# Altium PCB MotherBoard.PcbDoc (part 9 of 10) (continued)
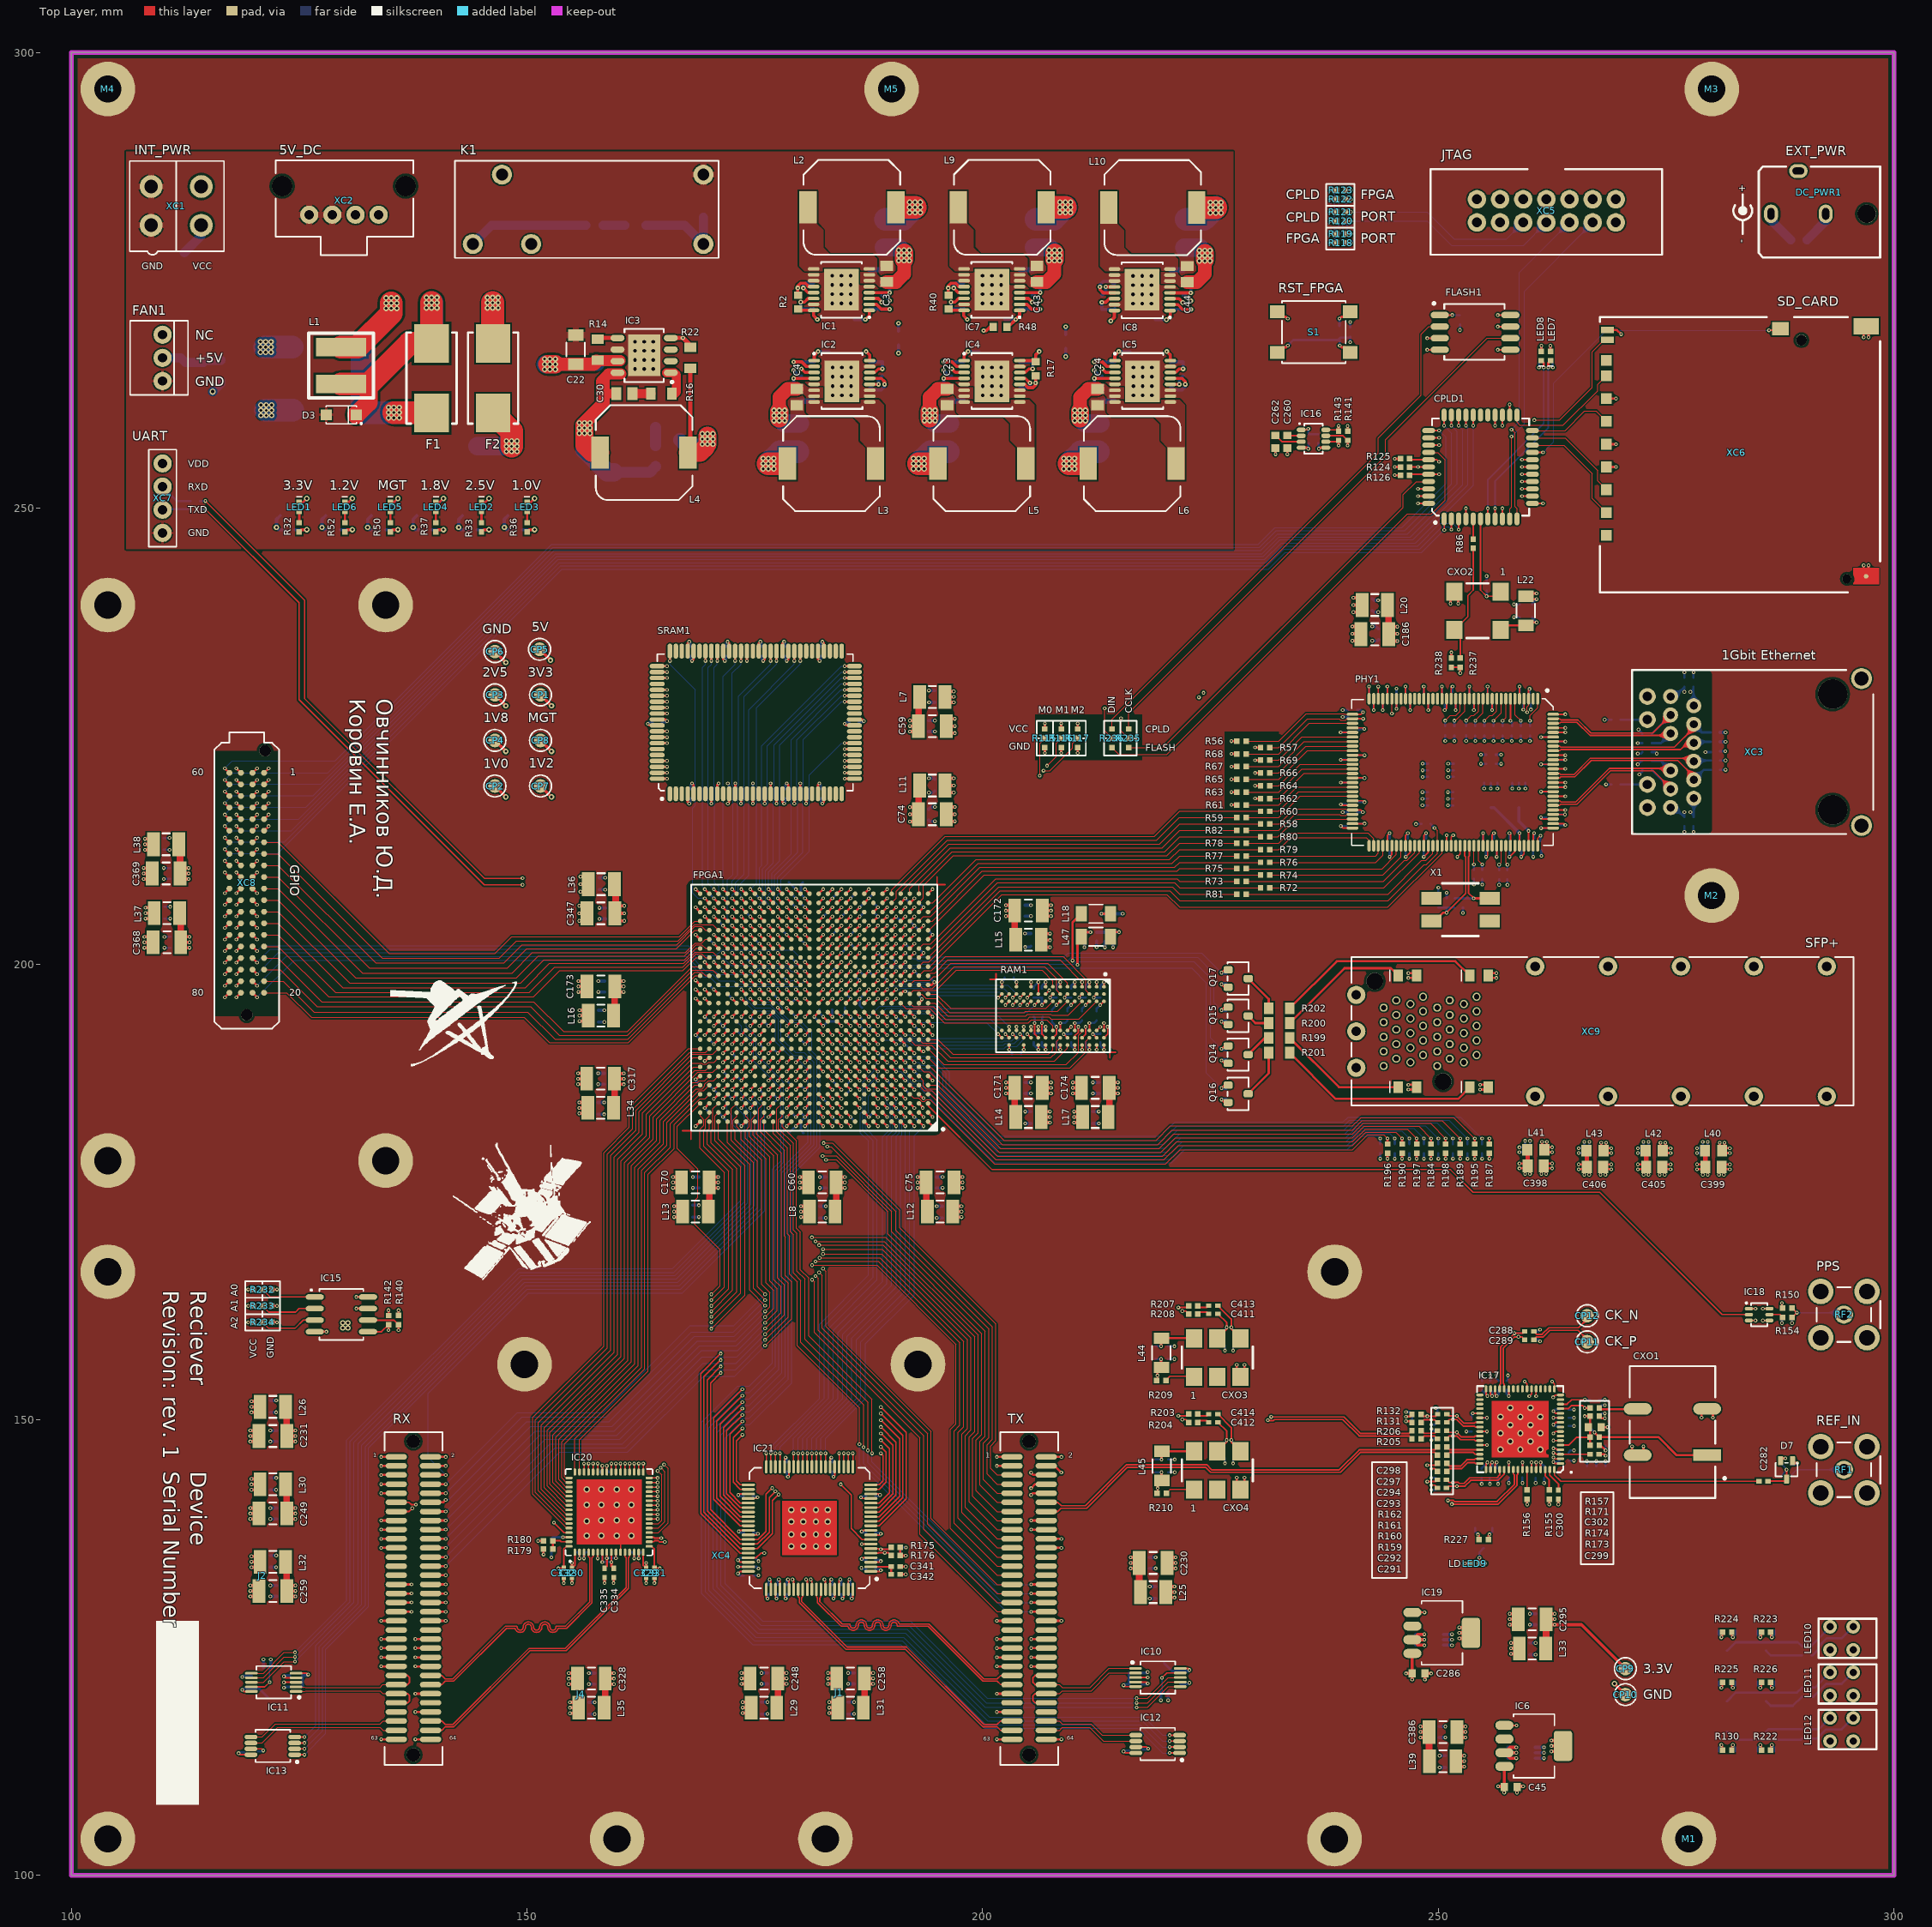
[diagram p0: Top Layer view]
## Nets (pads, with @x,y where several pads share a name; then routed paths per layer and width w, separated by ;. In a path a pad name is that pad's centre, name@x,y a point inside that pad or via, vN(x,y) a via of type N, cw(c..) or ccw(c..) an arc to the next point about the centre after c; other vN are vias at no path point) (continued)
  Bottom Layer w0.25: C407.1@274.372,179.46 v1(274.372,180.38) ; C407.1@274.561,179.249 v1(275.481,179.249) ; C407.1@274.561,179.779 v1(275.481,179.779) ; C407.1@274.902,179.46 v1(274.902,180.38)
SFP1_VCCTX: C401.1 L40.2 XC9.L16 | length 7.4
  Top Layer w0.25: L40.2@280.872,179.46 v1(280.872,180.38) ; L40.2@281.061,179.249 v1(281.981,179.249) ; L40.2@281.061,179.779 v1(281.981,179.779) ; L40.2@281.402,179.46 v1(281.402,180.38)
  Bottom Layer w0.25: C401.1@280.872,179.46 v1(280.872,180.38) ; C401.1@281.061,179.249 v1(281.981,179.249) ; C401.1@281.061,179.779 v1(281.981,179.779) ; C401.1@281.402,179.46 v1(281.402,180.38)
SFP2_RX_N: FPGA1.B11 XC9.T12 | length 65.5
  Top Layer w0.25: FPGA1.B11@184,183.7 v1(184.5,183.2)
  Signal Layer 1 w0.1: v1(184.5,183.2) 184.875,182.825 185.967,182.825 186.967,183.825 194.925,183.825 195.575,184.475 226.825,184.475 237.55,195.2 XC9.T12@244,195.2
SFP2_RX_P: FPGA1.A11 XC9.T13 | length 67.1
  Top Layer w0.25: FPGA1.A11@184,182.7 v1(184.5,182.2)
  Signal Layer 1 w0.1: v1(184.5,182.2) 184.875,182.575 186.071,182.575 187.071,183.575 187.174,183.575 195.029,183.575 195.679,184.225 226.929,184.225 237.654,194.95 243.05,194.95 243.6,194.4 XC9.T13@245.38,194.4
SFP2_TX_N: FPGA1.A7 XC9.T19 | length 61.8
  Top Layer w0.18: XC9.T19@245.321,189.541 XC9.T19@245.38,189.6
  Top Layer w0.25: FPGA1.A7@188,182.7 v1(188.5,182.2)
  Signal Layer 1 w0.1: v1(188.5,182.2) 188.875,182.575 194.925,182.575 195.625,181.875 227.525,181.875 235.8,190.15 243.05,190.15 243.6,189.6 XC9.T19@245.38,189.6
SFP2_TX_P: FPGA1.B7 XC9.T18 | length 60.1
  Top Layer w0.25: FPGA1.B7@188,183.7 v1(188.5,183.2)
  Signal Layer 1 w0.1: v1(188.5,183.2) 188.875,182.825 195.029,182.825 195.729,182.125 227.421,182.125 235.696,190.4 XC9.T18@244,190.4
SFP2_VCCRX: C408.1 L43.1 XC9.T15 | length 7.4
  Top Layer w0.25: L43.1@267.872,179.46 v1(267.872,180.38) ; L43.1@268.061,179.249 v1(268.981,179.249) ; L43.1@268.061,179.779 v1(268.981,179.779) ; L43.1@268.402,179.46 v1(268.402,180.38)
  Bottom Layer w0.25: C408.1@267.872,179.46 v1(267.872,180.38) ; C408.1@268.061,179.249 v1(268.981,179.249) ; C408.1@268.061,179.779 v1(268.981,179.779) ; C408.1@268.402,179.46 v1(268.402,180.38)
SFP2_VCCTX: C402.1 L41.1 XC9.T16 | length 7.4
  Top Layer w0.25: L41.1@261.372,179.56 v1(261.372,180.48) ; L41.1@261.561,179.349 v1(262.481,179.349) ; L41.1@261.561,179.879 v1(262.481,179.879) ; L41.1@261.902,179.56 v1(261.902,180.48)
  Bottom Layer w0.25: C402.1@261.372,179.56 v1(261.372,180.48) ; C402.1@261.561,179.349 v1(262.481,179.349) ; C402.1@261.561,179.879 v1(262.481,179.879) ; C402.1@261.902,179.56 v1(261.902,180.48)
SFP+_CLK_VCC: C384.1 C385.1 C386.2 C415.2 C416.2 L39.1 L44.1 L45.1 R209.1 R210.1 | length 13.8
  Top Layer w0.15: R209.1@219.117,154.35 219.175,154.408 v1(219.175,154.85) ; R210.1@219.142,141.925 219.2,141.983 v1(219.2,142.475)
  Top Layer w0.25: v1(219.175,154.85) 219.175,155.3 L44.1@219.625,155.75 ; v1(219.2,142.475) 219.2,142.875 L45.1@219.65,143.325 ; v1(219.575,156.65) 219.575,155.8 L44.1@219.6,155.775 ; L45.1@219.625,143.35 v1(219.625,144.225)
  Top Layer w0.35: v1(248.026,115.125) C386.2@248.976,115.125 ; v1(248.026,115.725) C386.2@248.976,115.725 ; v1(248.026,116.325) C386.2@248.976,116.325
  Top Layer w0.72: C386.2@248.976,115.725 248.976,112.652 L39.1@249.103,112.525
  Bottom Layer w0.25: C415.2@218.925,156.65 v1(219.575,156.65) ; C416.2@218.95,144.225 v1(219.625,144.225)
  Bottom Layer w0.35: v1(248.026,115.125) C385.1@248.7,115.125 ; v1(248.026,116.325) C384.1@248.7,116.325
SFPP1_MODABS: FPGA1.G2 R189.1 XC9.L6 | length 78.4
  Top Layer w0.1: FPGA1.G2@193,188.7 193.525,188.175 194.15,188.175 202.142,180.183 219.202,180.183 220.794,181.775 240.575,181.775 241.625,182.825 250.418,182.825 v1(252.4,180.843)
  Top Layer w0.25: R189.1@252.4,180.243 v1(252.4,180.843)
  Signal Layer 2 w0.1: XC9.L6@249.87,192 249.225,191.355 249.225,189.475 248.975,189.225 248.975,186.15 251.25,183.875 251.25,181.993 v1(252.4,180.843)
SFPP1_RS0: FPGA1.H4 R194.1 XC9.L7 | length 77.9
  Top Layer w0.25: FPGA1.H4@191,189.7 v1(191.5,189.2)
  Signal Layer 1 w0.1: v1(250,180.843) 252.2,183.043 252.2,188.5 251.875,188.825 251.875,190.575 XC9.L7@251.25,191.2
  Bottom Layer w0.1: v1(191.5,189.2) 191.875,188.825 192.875,188.825 193.15,188.55 194.425,188.55 195.275,187.7 195.275,186.125 201.621,179.779 220.061,179.779 221.632,181.35 239.742,181.35 240.651,182.259 248.584,182.259 v1(250,180.843)
  Bottom Layer w0.25: R194.1@250,180.243 v1(250,180.843)
SFPP1_RS1: FPGA1.J4 R183.1 XC9.L9 | length 81.3
  Top Layer w0.25: FPGA1.J4@191,190.7 v1(191.5,190.2)
  Signal Layer 2 w0.1: XC9.L9@251.25,189.6 251.975,188.875 251.975,186.025 253.75,184.25 253.75,181.893 v1(254.8,180.843)
  Bottom Layer w0.1: v1(191.5,190.2) 191.849,189.85 194.625,189.85 196.375,188.1 196.375,186.625 201.896,181.104 219.512,181.104 221.083,182.675 239.567,182.675 240.088,183.196 252.447,183.196 v1(254.8,180.843)
  Bottom Layer w0.25: R183.1@254.8,180.243 v1(254.8,180.843)
SFPP1_RXLOS: FPGA1.J5 R185.1 XC9.L8 | length 82.1
  Top Layer w0.25: FPGA1.J5@190,190.7 v1(190.5,190.2)
  Signal Layer 2 w0.1: XC9.L8@249.87,190.4 249.87,189.72 249.275,189.125 249.275,186.45 251.7,184.025 251.7,182.343 v1(253.2,180.843)
  Bottom Layer w0.1: v1(190.5,190.2) 191.15,189.55 194.425,189.55 196,187.975 196,186.45 201.821,180.629 219.709,180.629 221.28,182.2 239.592,182.2 240.252,182.86 251.183,182.86 v1(253.2,180.843)
  Bottom Layer w0.25: R185.1@253.2,180.243 v1(253.2,180.843)
SFPP1_SCL: FPGA1.J6 R187.1 XC9.L5 | length 94.3
  Top Layer w0.25: FPGA1.J6@189,190.7 v1(189.5,190.2) ; R187.1@255.6,180.243 v1(255.6,180.843)
  Signal Layer 2 w0.1: v1(189.5,190.2) 190.005,190.2 191.605,188.6 212.55,188.6 214.35,190.4 214.35,197.5 215.85,199 224.2,199 224.675,199.475 232.775,199.475 234.55,201.25 248.725,201.25 251.85,198.125 251.85,193.4 XC9.L5@251.25,192.8 252.2,191.85 252.2,186.375 254.175,184.4 254.175,182.268 v1(255.6,180.843)
SFPP1_SDA: FPGA1.H3 R193.1 XC9.L4 | length 81.2
  Top Layer w0.25: FPGA1.H3@192,189.7 v1(192.5,189.2)
  Signal Layer 2 w0.1: XC9.L4@249.87,193.6 248.925,192.655 248.925,189.6 248.65,189.325 248.65,185.875 250.85,183.675 250.85,181.593 v1(251.6,180.843)
  Bottom Layer w0.1: v1(192.5,189.2) 192.95,189.2 193.3,188.85 194.65,188.85 195.625,187.875 195.625,186.3 201.696,180.229 219.874,180.229 221.396,181.75 239.617,181.75 240.444,182.577 249.865,182.577 v1(251.6,180.843)
  Bottom Layer w0.25: R193.1@251.6,180.243 v1(251.6,180.843)
SFPP1_TXDISABLE: FPGA1.G1 R195.1 XC9.L3 | length 81.1
  Top Layer w0.1: FPGA1.G1@194,188.7 194.3,188.7 202.35,180.65 219.008,180.65 220.583,182.225 240.575,182.225 241.5,183.15 251.693,183.15 v1(254,180.843)
  Top Layer w0.25: R195.1@254,180.243 v1(254,180.843)
  Signal Layer 2 w0.1: XC9.L3@251.25,194.4 250.625,193.775 250.625,189.1 251.75,187.975 251.75,185.675 253.375,184.05 253.375,181.468 v1(254,180.843)
SFPP1_TXFAULT: FPGA1.F2 R184.1 XC9.L2 | length 78.6
  Top Layer w0.1: FPGA1.F2@193,187.7 193.5,187.2 193.5,186.634 193.834,186.3 194.825,186.3 201.79,179.335 219.553,179.335 221.128,180.91 240.585,180.91 241.85,182.175 247.868,182.175 v1(249.2,180.843)
  Top Layer w0.25: R184.1@249.2,180.243 v1(249.2,180.843)
  Signal Layer 1 w0.1: v1(249.2,180.843) 251.825,183.468 251.825,188.025 250.55,189.3 250.55,194.52 XC9.L2@249.87,195.2
  Signal Layer 2 w0.1: v1(249.2,180.843) v1@249.208,180.843
SFPP2_MODABS: FPGA1.D1 R190.1 XC9.T6 | length 71
  Top Layer w0.1: FPGA1.D1@194,185.7 194.25,185.7 201.446,178.504 219.897,178.504 221.472,180.079 240.579,180.079 242.05,181.55 245.313,181.55 v1(246.02,180.843)
  Top Layer w0.25: R190.1@246.02,180.243 v1(246.02,180.843)
  Signal Layer 1 w0.1: v1@246.02,180.846 v1(246.02,180.843) 248.775,183.597 248.775,189.125 248.975,189.325 248.975,192.545 XC9.T6@248.32,193.2
SFPP2_RS0: FPGA1.G5 R188.1 XC9.T7 | length 75.4
  Top Layer w0.25: FPGA1.G5@190,188.7 v1(190.5,188.2)
  Signal Layer 2 w0.1: v1(243.62,180.842) 245.075,182.297 245.075,183.55 247.2,185.675 247.2,187.85 246.325,188.725 246.325,193.395 XC9.T7@246.93,194
  Bottom Layer w0.1: v1(190.5,188.2) 190.995,188.2 191.85,187.345 191.85,187 192.3,186.55 192.925,186.55 201.3,178.175 220.725,178.175 222.2,179.65 240.025,179.65 241.5,181.125 243.338,181.125 v1(243.62,180.842)
  Bottom Layer w0.25: R188.1@243.62,180.242 v1(243.62,180.842)
SFPP2_RS1: FPGA1.E2 R197.1 XC9.T9 | length 75.1
  Top Layer w0.1: FPGA1.E2@193,186.7 193.6,186.1 194.425,186.1 201.615,178.91 219.729,178.91 221.304,180.485 240.585,180.485 241.975,181.875 246.588,181.875 v1(247.62,180.843)
  Top Layer w0.25: R197.1@247.62,180.243 v1(247.62,180.843)
  Signal Layer 2 w0.1: XC9.T9@246.93,195.6 247.525,195.005 247.525,189.325 247.62,189.23 v1(247.62,180.843)
SFPP2_RXLOS: FPGA1.F3 R186.1 XC9.T8 | length 75.9
  Top Layer w0.25: FPGA1.F3@192,187.7 v1(192.5,187.2)
  Signal Layer 1 w0.1: v1(246.82,180.843) 249.25,183.272 249.25,193.87 XC9.T8@248.32,194.8
  Bottom Layer w0.1: v1(192.5,187.2) 193.275,187.2 201.496,178.979 220.392,178.979 221.889,180.475 239.867,180.475 241.085,181.693 245.97,181.693 v1(246.82,180.843)
  Bottom Layer w0.25: R186.1@246.82,180.243 v1(246.82,180.843)
SFPP2_SCL: FPGA1.D3 R196.1 XC9.T5 | length 70.4
  Top Layer w0.1: FPGA1.D3@192,185.7 192.4,185.3 192.966,185.3 193.341,184.925 193.645,184.925 193.82,185.1 194.25,185.1 201.3,178.05 220.085,178.05 221.66,179.625 240.6,179.625 242.225,181.25 244.013,181.25 v1(244.42,180.842)
  Top Layer w0.25: R196.1@244.42,180.242 v1(244.42,180.842)
  Signal Layer 1 w0.1: v1(244.42,180.842) 244.42,180.846 246.25,182.675 246.25,191.72 XC9.T5@246.93,192.4
SFPP2_SDA: FPGA1.H6 R191.1 XC9.T4 | length 78
  Top Layer w0.25: FPGA1.H6@189,189.7 v1(189.5,189.2)
  Signal Layer 2 w0.1: XC9.T4@248.32,191.6 247.725,191.005 247.725,189.575 247.975,189.325 247.975,181.288 v1(248.42,180.842)
  Bottom Layer w0.1: v1(189.5,189.2) 190.15,188.55 192.675,188.55 192.975,188.25 194.225,188.25 194.95,187.525 194.95,186 201.571,179.379 220.226,179.379 221.748,180.9 239.817,180.9 240.893,181.976 247.287,181.976 v1(248.42,180.842)
  Bottom Layer w0.25: R191.1@248.42,180.242 v1(248.42,180.842)
SFPP2_TXDISABLE: FPGA1.G4 R192.1 XC9.T3 | length 71.9
  Top Layer w0.25: FPGA1.G4@191,188.7 v1(191.5,188.2)
  Signal Layer 1 w0.1: v1(245.22,180.842) 247.575,183.197 247.575,190.155 XC9.T3@246.93,190.8
  Bottom Layer w0.1: v1(191.5,188.2) 192.075,187.625 192.075,187.13 192.355,186.85 192.645,186.85 193.125,186.85 201.396,178.579 220.558,178.579 222.054,180.075 239.967,180.075 241.303,181.41 244.652,181.41 v1(245.22,180.842)
  Bottom Layer w0.25: R192.1@245.22,180.242 v1(245.22,180.842)
SFPP2_TXFAULT: FPGA1.E1 R198.1 XC9.T2 | length 72.3
  Top Layer w0.1: FPGA1.E1@194,186.7 195.025,186.7 201.966,179.759 219.378,179.759 220.953,181.334 240.584,181.334 241.75,182.5 249.143,182.5 v1(250.8,180.843)
  Top Layer w0.25: R198.1@250.8,180.243 v1(250.8,180.843)
  Signal Layer 2 w0.1: XC9.T2@248.32,190 248.32,185.68 250.45,183.55 250.45,181.193 v1(250.8,180.843)
TCK: CPLD1.11 FPGA1.H12 XC5.6 | length 154.7
  Top Layer w0.1: v1(258.025,258.625) 258.05,258.625 258.4,258.275 258.4,250.175 258.625,249.95 CPLD1.11@258.625,248.825
  Top Layer w0.25: FPGA1.H12@183,189.7 v1(183.5,189.2)
  Signal Layer 2 w0.1: v1(183.5,189.2) 183.5,189.7 183.134,190.066 183.134,209.904 199.055,225.825 216.2,225.825 222.275,231.9 230.15,231.9 248.225,249.975 248.225,254.45 252.4,258.625 v1(258.025,258.625)
  Bottom Layer w0.1: v1(258.025,258.625) 258.875,259.475 258.875,275.847 XC5.6@264.388,281.36
TDI_CPLD: CPLD1.9 R121.2 R122.2 | length 50.9
  Top Layer w0.18: CPLD1.9@257.025,248.825 v1(257.025,249.979)
  Top Layer w0.25: v1(238.184,282.5) R121.2@238.784,282.5 ; v1(238.184,283.9) R122.2@238.784,283.9
  Signal Layer 2 w0.1: v1(238.184,282.5) 238.659,282.025 248.275,282.025 258.425,271.875 258.425,251.379 v1(257.025,249.979)
  Bottom Layer w0.18: v1(238.184,282.5) v1(238.184,283.9)
TDI_FPGA: FPGA1.H10 R119.2 R123.1 | length 132.6
  Top Layer w0.25: FPGA1.H10@185,189.7 v1(185.5,189.2) ; v1(238.184,280.1) R119.2@238.784,280.1 ; R123.1@239.8,284.9 v1(240.4,284.9)
  Signal Layer 1 w0.1: v1(223.725,229.25) 225.392,229.25 238.3,242.158 238.3,278.35 238.55,278.6 238.55,279.734 v1(238.184,280.1)
  Signal Layer 2 w0.1: v1(185.5,189.2) 186.15,189.85 186.15,190.345 187.85,192.045 187.85,195.125 187.025,195.95 187.025,200.025 186.15,200.9 186.15,207.925 193.725,215.5 194.1,215.5 201.3,222.7 217.175,222.7 v1(223.725,229.25)
  Bottom Layer w0.18: v1(238.184,280.1) 239.075,280.991 239.075,283.575 v1(240.4,284.9)
TDI_PORT: R119.1 R121.1 XC5.10 | length 24.8
  Top Layer w0.25: R119.1@239.8,280.1 v1(240.4,280.1) ; R121.1@239.8,282.5 v1(240.4,282.5)
  Bottom Layer w0.1: v1(240.4,282.5) 248.75,282.5 251.725,279.525 257.473,279.525 XC5.10@259.308,281.36
  Bottom Layer w0.18: v1(240.4,280.1) 240.01,280.49 240.01,282.11 v1(240.4,282.5)
TDO_CPLD: CPLD1.24 R120.2 R123.2 | length 40.1
  Top Layer w0.18: CPLD1.24@257.825,260.225 v1(257.825,261.379)
  Top Layer w0.25: v1(238.184,281.5) R120.2@238.784,281.5 ; v1(238.184,284.9) R123.2@238.784,284.9
  Signal Layer 2 w0.1: v1(238.184,281.5) 238.659,281.025 248.525,281.025 257.825,271.725 v1(257.825,261.379)
  Bottom Layer w0.18: v1(238.184,281.5) 238.574,281.89 238.574,284.51 v1(238.184,284.9)
TDO_FPGA: FPGA1.J10 R118.2 R122.1 | length 129.8
  Top Layer w0.25: FPGA1.J10@185,190.7 v1(185.5,190.2) ; v1(238.184,279.1) R118.2@238.784,279.1 ; R122.1@239.8,283.9 v1(240.4,283.9)
  Signal Layer 1 w0.1: v1(224.225,229.75) 225.366,229.75 237.875,242.259 237.875,278.791 v1(238.184,279.1)
  Signal Layer 2 w0.1: v1(185.5,190.2) 185.15,190.55 185.15,191.35 186.125,192.325 186.125,200.25 185.85,200.525 185.85,208.325 193.45,215.925 193.945,215.925 195.1,217.08 195.1,217.675 196.65,219.225 196.967,219.225 201.392,223.65 217.35,223.65 223.45,229.75 v1(224.225,229.75)
  Bottom Layer w0.18: v1(238.184,279.1) 239.5,280.416 239.5,283 v1(240.4,283.9)
TDO_PORT: R118.1 R120.1 XC5.8 | length 27.5
  Top Layer w0.25: R118.1@239.8,279.1 v1(240.4,279.1) ; R120.1@239.8,281.5 v1(240.4,281.5)
  Bottom Layer w0.1: v1(240.4,281.5) 248.775,281.5 251.425,278.85 259.338,278.85 XC5.8@261.848,281.36
  Bottom Layer w0.18: v1(240.4,279.1) 240.8,279.5 240.8,280.5 240.4,280.9 v1(240.4,281.5)
TMS: CPLD1.10 FPGA1.H11 XC5.4 | length 154.5
  Top Layer w0.1: CPLD1.10@257.825,248.825 257.825,249.95 258.025,250.15 v1(258.025,257.875)
  Top Layer w0.25: FPGA1.H11@184,189.7 v1(184.5,189.2)
  Signal Layer 2 w0.1: v1(184.5,189.2) 184.5,189.7 184.05,190.15 184.05,209.925 184.145,209.925 199.545,225.325 216.575,225.325 222.625,231.375 230.325,231.375 248.675,249.725 248.675,254.35 252.2,257.875 v1(258.025,257.875)
  Bottom Layer w0.1: v1(258.025,257.875) 259.425,259.275 259.425,273.8 266.928,281.303 XC5.4@266.928,281.36
TX00_A: FPGA1.B4 IC21.30 | length 43.3
  Top Layer w0.13: IC21.30@181.25,144.825 v1(181.25,146.3)
  Top Layer w0.25: FPGA1.B4@191,183.7 v1(191.5,183.2)
  Bottom Layer w0.1: v1(181.25,146.3) 181.25,147.95 185.625,152.325 185.625,158.946 191,164.321 191,181.1 191.15,181.25 191.15,182.85 v1(191.5,183.2)
TX00_B: FPGA1.L8 IC21.50 | length 64
  Top Layer w0.13: v1(173.625,153.328) 170.475,150.178 170.475,141.275 173.4,138.35 IC21.50@174.275,138.35
  Top Layer w0.25: FPGA1.L8@187,192.7 v1(187.5,192.2)
  Signal Layer 2 w0.1: v1(173.625,153.328) 177.837,157.54 177.837,161.287 183.45,166.9 183.45,177.625 184.15,178.325 184.15,188.35 185.85,190.05 185.85,191.045 187.005,192.2 v1(187.5,192.2)
TX01_A: FPGA1.A4 IC21.29 | length 42.1
  Top Layer w0.13: IC21.29@181.75,144.825 v1(181.75,146.3)
  Top Layer w0.25: FPGA1.A4@191,182.7 v1(191.5,182.2)
  Bottom Layer w0.1: v1(181.75,146.3) 181.75,147.95 186.125,152.325 186.125,158.739 191.5,164.114 v1(191.5,182.2)
TX01_B: FPGA1.K8 IC21.49 | length 61.9
  Top Layer w0.13: v1(173.629,152.625) 170.829,149.825 170.829,141.421 173.4,138.85 IC21.49@174.275,138.85
  Top Layer w0.25: FPGA1.K8@187,191.7 v1(187.5,191.2)
  Signal Layer 2 w0.1: v1(173.629,152.625) 178.337,157.333 178.337,161.137 183.85,166.65 183.85,177.175 184.625,177.95 184.625,181.83 184.85,182.055 184.85,188.05 187,190.2 187,190.7 v1(187.5,191.2)
TX02_A: FPGA1.A3 IC21.28 | length 42.3
  Top Layer w0.13: IC21.28@182.25,144.825 v1(182.25,146.3)
  Top Layer w0.25: FPGA1.A3@192,182.7 v1(192.5,182.2)
  Bottom Layer w0.1: v1(182.25,146.3) 182.25,147.95 186.625,152.325 186.625,158.532 192,163.907 192,181.7 v1(192.5,182.2)
TX02_B: FPGA1.H9 IC21.48 | length 58.7
  Top Layer w0.13: v1(173.625,151.914) 171.182,149.471 171.182,141.568 173.4,139.35 IC21.48@174.275,139.35
  Top Layer w0.25: FPGA1.H9@186,189.7 v1(186.5,189.2)
  Signal Layer 2 w0.1: v1(173.625,151.914) 178.837,157.126 178.837,160.962 184.35,166.475 184.35,176.9 185.1,177.65 185.1,187.295 185.85,188.045 185.85,188.55 v1(186.5,189.2)
TX03_A: FPGA1.A2 IC21.27 | length 42.5
  Top Layer w0.13: IC21.27@182.75,144.825 v1(182.75,146.3)
  Top Layer w0.25: FPGA1.A2@193,182.7 v1(193.5,182.2)
  Bottom Layer w0.1: v1(182.75,146.3) 182.75,147.95 187.125,152.325 187.125,158.325 192.475,163.675 192.475,181.175 v1(193.5,182.2)
TX03_B: FPGA1.J8 IC21.47 | length 59.3
  Top Layer w0.13: v1(173.618,151.2) 171.536,149.118 171.536,141.714 173.4,139.85 IC21.47@174.275,139.85
  Top Layer w0.25: FPGA1.J8@187,190.7 v1(187.5,190.2)
  Signal Layer 2 w0.1: v1(173.618,151.2) 179.337,156.919 179.337,160.789 185.6,167.051 185.6,181.805 185.875,182.08 185.875,187.383 186.15,187.658 186.15,188.345 187,189.195 187,189.7 v1(187.5,190.2)
TX04_A: FPGA1.G6 IC21.24 | length 47.9
  Top Layer w0.13: IC21.24@184.25,144.825 v1(184.25,146.3)
  Top Layer w0.25: FPGA1.G6@189,188.7 v1(189.5,188.2)
  Signal Layer 2 w0.1: v1(184.25,146.3) 184.25,148.025 182.325,149.95 182.325,159.8 188.45,165.925 188.45,181.638 188.85,182.038 188.85,187.075 189.5,187.725 v1(189.5,188.2)
TX04_B: FPGA1.G9 IC21.46 | length 56.1
  Top Layer w0.13: v1(173.625,150.5) 171.889,148.764 171.889,141.861 173.4,140.35 IC21.46@174.275,140.35
  Top Layer w0.25: FPGA1.G9@186,188.7 v1(186.5,188.2)
  Signal Layer 2 w0.1: v1(173.625,150.5) 179.837,156.712 179.837,160.612 186.075,166.85 186.075,187.3 186.5,187.725 v1(186.5,188.2)
TX05_A: FPGA1.E6 IC21.23 | length 45.6
  Top Layer w0.13: IC21.23@184.75,144.825 v1(184.75,146.3)
  Top Layer w0.25: FPGA1.E6@189,186.7 v1(189.5,186.2)
  Signal Layer 2 w0.1: v1(184.75,146.3) 184.75,148.25 182.825,150.175 182.825,159.675 188.925,165.775 188.925,181.8 189.15,182.025 189.15,185.55 189.5,185.9 v1(189.5,186.2)
TX05_B: FPGA1.H8 IC21.45 | length 56.7
  Top Layer w0.13: v1(173.625,149.793) 172.243,148.411 172.243,142.007 173.4,140.85 IC21.45@174.275,140.85
  Top Layer w0.25: FPGA1.H8@187,189.7 v1(187.5,189.2)
  Signal Layer 2 w0.1: v1(173.625,149.793) 180.337,156.505 180.337,160.437 186.55,166.65 186.55,181.8 186.85,182.1 186.85,188.55 v1(187.5,189.2)
TX06_A: FPGA1.F5 IC21.22 | length 46.9
  Top Layer w0.13: IC21.22@185.25,144.825 v1(185.25,146.3)
  Top Layer w0.25: FPGA1.F5@190,187.7 v1(190.5,187.2)
  Signal Layer 2 w0.1: v1(185.25,146.3) 185.25,148.45 183.325,150.375 183.325,159.575 189.425,165.675 189.425,181.613 189.875,182.063 189.875,186.575 v1(190.5,187.2)
TX06_B: FPGA1.F8 IC21.42 | length 52.9
  Top Layer w0.13: v1(173.625,149.032) 172.623,148.03 172.623,143.127 173.4,142.35 IC21.42@174.275,142.35
  Top Layer w0.25: FPGA1.F8@187,187.7 v1(187.5,187.2)
  Signal Layer 2 w0.1: v1(173.625,149.032) 180.875,156.282 180.875,160.3 187.025,166.45 187.025,181.9 187.15,182.025 187.15,186.375 187.5,186.725 v1(187.5,187.2)
TX07_A: FPGA1.E5 IC21.21 | length 45.6
  Top Layer w0.13: IC21.21@185.75,144.825 v1(185.75,146.3)
  Top Layer w0.25: FPGA1.E5@190,186.7 v1(190.5,186.2)
  Signal Layer 2 w0.1: v1(185.75,146.3) 185.75,148.675 183.875,150.55 183.875,159.45 189.925,165.5 189.925,181.75 190.15,181.975 190.15,185.35 190.5,185.7 v1(190.5,186.2)
TX07_B: FPGA1.G8 IC21.41 | length 53.4
  Top Layer w0.13: v1(173.625,148.325) 172.977,147.677 172.977,143.273 173.4,142.85 IC21.41@174.275,142.85
  Top Layer w0.25: FPGA1.G8@187,188.7 v1(187.5,188.2)
  Signal Layer 2 w0.1: v1(173.625,148.325) 181.375,156.075 181.375,160.125 187.5,166.25 187.5,181.658 187.85,182.008 187.85,187.85 v1(187.5,188.2)
TX08_A: FPGA1.D4 IC21.20 | length 49
  Top Layer w0.13: IC21.20@187.725,142.85 188.625,142.85 189.05,143.275 189.05,146.075 v1(188.825,146.3)
  Top Layer w0.25: FPGA1.D4@191,185.7 v1(191.5,185.2)
  Signal Layer 2 w0.1: v1(188.825,146.3) 184.387,150.738 184.387,159.312 190.375,165.3 190.375,181.58 190.85,182.055 190.85,184.55 v1(191.5,185.2)
TX08_B: FPGA1.K7 IC21.40 | length 52.2
  Top Layer w0.13: IC21.40@176.25,144.825 v1(176.25,146.3)
  Top Layer w0.25: FPGA1.K7@188,191.7 v1(188.5,191.2)
  Signal Layer 2 w0.1: v1(176.25,146.3) 176.25,150.2 181.825,155.775 181.825,159.9 187.975,166.05 187.975,181.8 188.15,181.975 188.15,190.85 v1(188.5,191.2)
TX09_A: FPGA1.C4 IC21.19 | length 48.4
  Top Layer w0.13: IC21.19@187.725,142.35 188.625,142.35 189.4,143.125 189.4,146.441 188.841,147 v1(188.825,147)
  Top Layer w0.25: FPGA1.C4@191,184.7 v1(191.5,184.2)
  Signal Layer 2 w0.1: v1(188.825,147) 188.825,147.016 184.887,150.954 184.887,159.162 190.825,165.1 190.825,181.675 191.15,182 191.15,183.35 191.5,183.7 v1(191.5,184.2)
TX09_B: FPGA1.H7 IC21.39 | length 50.7
  Top Layer w0.13: IC21.39@176.75,144.825 v1(176.75,146.3)
  Top Layer w0.25: FPGA1.H7@188,189.7 v1(188.5,189.2)
  Bottom Layer w0.1: v1(176.75,146.3) 176.75,147 182.075,152.325 182.075,160.475 187.45,165.85 187.45,180.575 186.575,181.45 186.575,183.58 186.85,183.855 186.85,187.05 188.05,188.25 188.05,188.75 v1(188.5,189.2)
TX10_A: FPGA1.F4 IC21.16 | length 53
  Top Layer w0.13: IC21.16@187.725,140.85 188.625,140.85 189.75,141.975 189.75,146.816 v1(188.825,147.741)
  Top Layer w0.25: FPGA1.F4@191,187.7 v1(191.5,187.2)
  Signal Layer 2 w0.1: v1(188.825,147.741) 185.425,151.141 185.425,159.075 191.3,164.95 191.3,181.5 191.85,182.05 191.85,186.85 v1(191.5,187.2)
TX10_B: FPGA1.G7 IC21.38 | length 49.7
  Top Layer w0.13: IC21.38@177.25,144.825 v1(177.25,146.3)
  Top Layer w0.25: FPGA1.G7@188,188.7 v1(188.5,188.2)
  Bottom Layer w0.1: v1(177.25,146.3) 177.25,147 182.6,152.35 182.6,160.25 187.975,165.625 187.975,180.6 186.85,181.725 186.85,183.525 187.15,183.825 187.15,186.345 188.5,187.695 v1(188.5,188.2)
TX11_A: FPGA1.C3 IC21.15 | length 50.5
  Top Layer w0.13: IC21.15@187.725,140.35 188.625,140.35 190.125,141.85 190.125,147.191 v1(188.825,148.491)
  Top Layer w0.25: FPGA1.C3@192,184.7 v1(192.5,184.2)
  Signal Layer 2 w0.1: v1(188.825,148.491) 185.925,151.391 185.925,158.925 191.825,164.825 191.825,181.65 192.15,181.975 192.15,183.375 192.5,183.725 v1(192.5,184.2)
TX11_B: FPGA1.F7 IC21.37 | length 48.6
  Top Layer w0.13: IC21.37@177.75,144.825 v1(177.75,146.3)
  Top Layer w0.25: FPGA1.F7@188,187.7 v1(188.5,187.2)
  Bottom Layer w0.1: v1(177.75,146.3) 177.75,147 183.1,152.35 183.1,160 188.425,165.325 188.425,180.7 187.125,182 187.125,183.4 187.475,183.75 187.475,185.475 188.05,186.05 188.05,186.75 v1(188.5,187.2)
TX12_A: FPGA1.E3 IC21.14 | length 53.2
  Top Layer w0.13: IC21.14@187.725,139.85 188.625,139.85 190.489,141.714 190.489,147.536 v1(188.825,149.2)
  Top Layer w0.25: FPGA1.E3@192,186.7 v1(192.5,186.2)
  Signal Layer 2 w0.1: v1(188.825,149.2) 186.425,151.6 186.425,158.75 192.325,164.65 192.325,181.5 192.85,182.025 192.85,185.85 v1(192.5,186.2)
TX12_B: FPGA1.D6 IC21.34 | length 45.6
  Top Layer w0.13: IC21.34@179.25,144.825 v1(179.25,146.3)
  Top Layer w0.25: FPGA1.D6@189,185.7 v1(189.5,185.2)
  Bottom Layer w0.1: v1(179.25,146.3) 179.25,147.95 183.625,152.325 183.625,159.775 189,165.15 189,181.025 189.859,181.884 189.859,184.336 189.5,184.695 v1(189.5,185.2)
TX13_A: FPGA1.B2 IC21.13 | length 51
  Top Layer w0.13: IC21.13@187.725,139.35 188.625,139.35 190.875,141.6 190.875,147.892 v1(188.825,149.942)
  Top Layer w0.25: FPGA1.B2@193,183.7 v1(193.5,183.2)
  Signal Layer 2 w0.1: v1(188.825,149.942) 186.925,151.842 186.925,158.525 192.85,164.45 192.85,174.475 193.201,174.826 193.201,177.299 192.85,177.65 192.85,181.665 193.15,181.965 193.15,182.85 v1(193.5,183.2)
TX13_B: FPGA1.D5 IC21.33 | length 45.5
  Top Layer w0.13: IC21.33@179.75,144.825 v1(179.75,146.3)
  Top Layer w0.25: FPGA1.D5@190,185.7 v1(190.5,185.2)
  Bottom Layer w0.1: v1(179.75,146.3) 179.75,147.95 184.125,152.325 184.125,159.568 189.5,164.943 189.5,181.05 190.15,181.7 190.15,184.345 190.5,184.695 v1(190.5,185.2)
TX14_A: FPGA1.C2 IC21.12 | length 52.6
  Top Layer w0.13: IC21.12@187.725,138.85 188.625,138.85 191.225,141.45 191.225,148.267 v1(188.825,150.667)
  Top Layer w0.25: FPGA1.C2@193,184.7 193.409,184.291 v1(193.409,184.209)
  Signal Layer 2 w0.1: v1(188.825,150.667) 187.425,152.067 187.425,158.35 193.375,164.3 193.375,174 193.55,174.175 193.55,177.875 193.375,178.05 193.375,181.575 193.85,182.05 193.85,183.768 v1(193.409,184.209)
TX14_B: FPGA1.A5 IC21.32 | length 42.3
  Top Layer w0.13: IC21.32@180.25,144.825 v1(180.25,146.3)
  Top Layer w0.25: FPGA1.A5@190,182.7 v1(190.5,182.2)
  Bottom Layer w0.1: v1(180.25,146.3) 180.25,147.95 184.625,152.325 184.625,159.361 190,164.736 190,181.05 190.5,181.55 v1(190.5,182.2)
TX15_A: FPGA1.B1 IC21.11 | length 51.9
  Top Layer w0.13: IC21.11@187.725,138.35 188.625,138.35 191.6,141.325 191.6,148.599 v1(188.825,151.374)
  Top Layer w0.25: FPGA1.B1@194,183.7 v1(194.5,183.2)
  Signal Layer 2 w0.1: v1(188.825,151.374) 187.925,152.274 187.925,158.175 193.875,164.125 193.875,181.675 194.15,181.95 194.15,182.85 v1(194.5,183.2)
TX15_B: FPGA1.B5 IC21.31 | length 43.4
  Top Layer w0.13: IC21.31@180.75,144.825 v1(180.75,146.3)
  Top Layer w0.25: FPGA1.B5@190,183.7 v1(190.5,183.2)
  Bottom Layer w0.1: v1(180.75,146.3) 180.75,147.95 185.125,152.325 185.125,159.153 190.5,164.528 190.5,181.1 190.85,181.45 190.85,182.85 v1(190.5,183.2)
TXD: FPGA1.R25 R136.1 | length 84.5
  Top Layer w0.15: v1(114.708,249.9) 124.975,239.633 124.975,229 145.3,208.675 v1(149.5,208.675)
  Top Layer w0.25: v1(169.5,197.2) FPGA1.R25@170,196.7
  Signal Layer 1 w0.15: v1(149.5,208.675) 157.925,200.25 162.925,200.25 166.425,196.75 169.05,196.75 v1(169.5,197.2)
  Bottom Layer w0.25: R136.1@114.108,249.9 v1(114.708,249.9)
V_UNREG: C18.1 C21.1 C22.1 IC3.7 L1.2 R14.2 | length 43
  Top Layer w1.2: R14.2@157.753,266.198 IC3.7@160.222,266.198
  Top Layer w1.5: v2(153.1,265.8) 157.301,265.8 R14.2@157.626,266.125
  Top Layer w2: v2@152.225,265.8 v2(153.1,265.8)
  Top Layer w2.5: L1.2@129.6,267.67 131.37,267.67 135.1,271.4 v2(135.1,272.5)
  Power w2.5: v2(135.1,272.5) 135.1,271.4 140.7,265.8 v2@152.85,265.8
  Bottom Layer w1.5: v2(153.1,265.8) 157.751,265.8 C21.1@157.753,265.802
  Bottom Layer w2: v2@152.025,265.8 v2(153.1,265.8)
  other v2: 151.925,265.225 152.5,265.225 153.1,265.225 151.925,265.8 152.5,265.8 151.925,266.375 152.5,266.375 153.1,266.375 134.525,271.925 135.1,271.925 135.7,271.925 134.525,272.5 135.7,272.5 134.525,273.075 135.1,273.075 135.7,273.075
VCC_XADC: C164.1 FPGA1.M12 L18.1 | length 37.1
  Top Layer w0.25: v1(182.5,194.2) FPGA1.M12@183,193.7 ; v1(209.86,200.36) 209.86,204.531 209.85,204.541 L18.1@210.814,205.505
  Power 2 w0.25: 195.475,199.725 209.225,199.725 v1(209.86,200.36)
  Power 2 w0.254: v1(182.5,194.2) 183.56,195.26 191.01,195.26 195.475,199.725
  Bottom Layer w0.25: C164.1@182.1,195 182.1,194.6 v1(182.5,194.2)
VINA_N: IC20.13 XC4.126 | length 32.2
  Top Layer w0.15: XC4.126@139.408,115.913 140.651,115.913 141.034,116.296 141.971,116.296 150.325,124.65 154.3,124.65 161.125,131.475 161.125,134.85 161.25,134.975 IC20.13@161.25,135.45
VINA_P: IC20.12 XC4.124 | length 31.8
  Top Layer w0.15: XC4.124@139.408,116.929 140.651,116.929 141.034,116.546 141.867,116.546 150.221,124.9 154.196,124.9 160.875,131.579 160.875,134.85 160.75,134.975 IC20.12@160.75,135.45
VINB_N: IC20.5 XC4.116 | length 29.5
  Top Layer w0.15: XC4.116@139.408,120.916 140.651,120.916 141.034,121.299 141.945,121.299 147.746,127.1 148.683,127.1 ccw(c149.244,127.225) 149.819,127.225 cw(c150.144,127.225) 150.469,127.225 ccw(c151.044,127.225) 151.619,127.225 cw(c151.944,127.225) 152.269,127.225 ccw(c152.844,127.225) 153.405,127.1 154.329,127.1 157.125,129.896 157.125,134.85 157.25,134.975 IC20.5@157.25,135.45
VINB_P: IC20.4 XC4.114 | length 29.2
  Top Layer w0.15: XC4.114@139.408,121.932 140.651,121.932 141.034,121.549 141.841,121.549 147.642,127.35 148.794,127.35 cw(c148.794,127.225) 148.919,127.225 ccw(c149.244,127.225) 149.569,127.225 cw(c150.144,127.225) 150.719,127.225 ccw(c151.044,127.225) 151.369,127.225 cw(c151.944,127.225) 152.519,127.225 ccw(c152.844,127.225) 153.169,127.225 cw(c153.294,127.225) 153.294,127.35 154.225,127.35 156.875,130 156.875,134.85 156.75,134.975 IC20.4@156.75,135.45